# Altium PCB Daughter Board.PcbDoc (part 2 of 3)
Units mil, origin at the board's own origin, x right, y up, seen from the top; angles counter-clockwise.
Board outline 3543.31 x 2755.91 mil, 4 copper layers (Top, GND, 3V3, Bottom), stack 70.5 mil thick; 212 components, 182 nets, 825 pads, 231 vias.
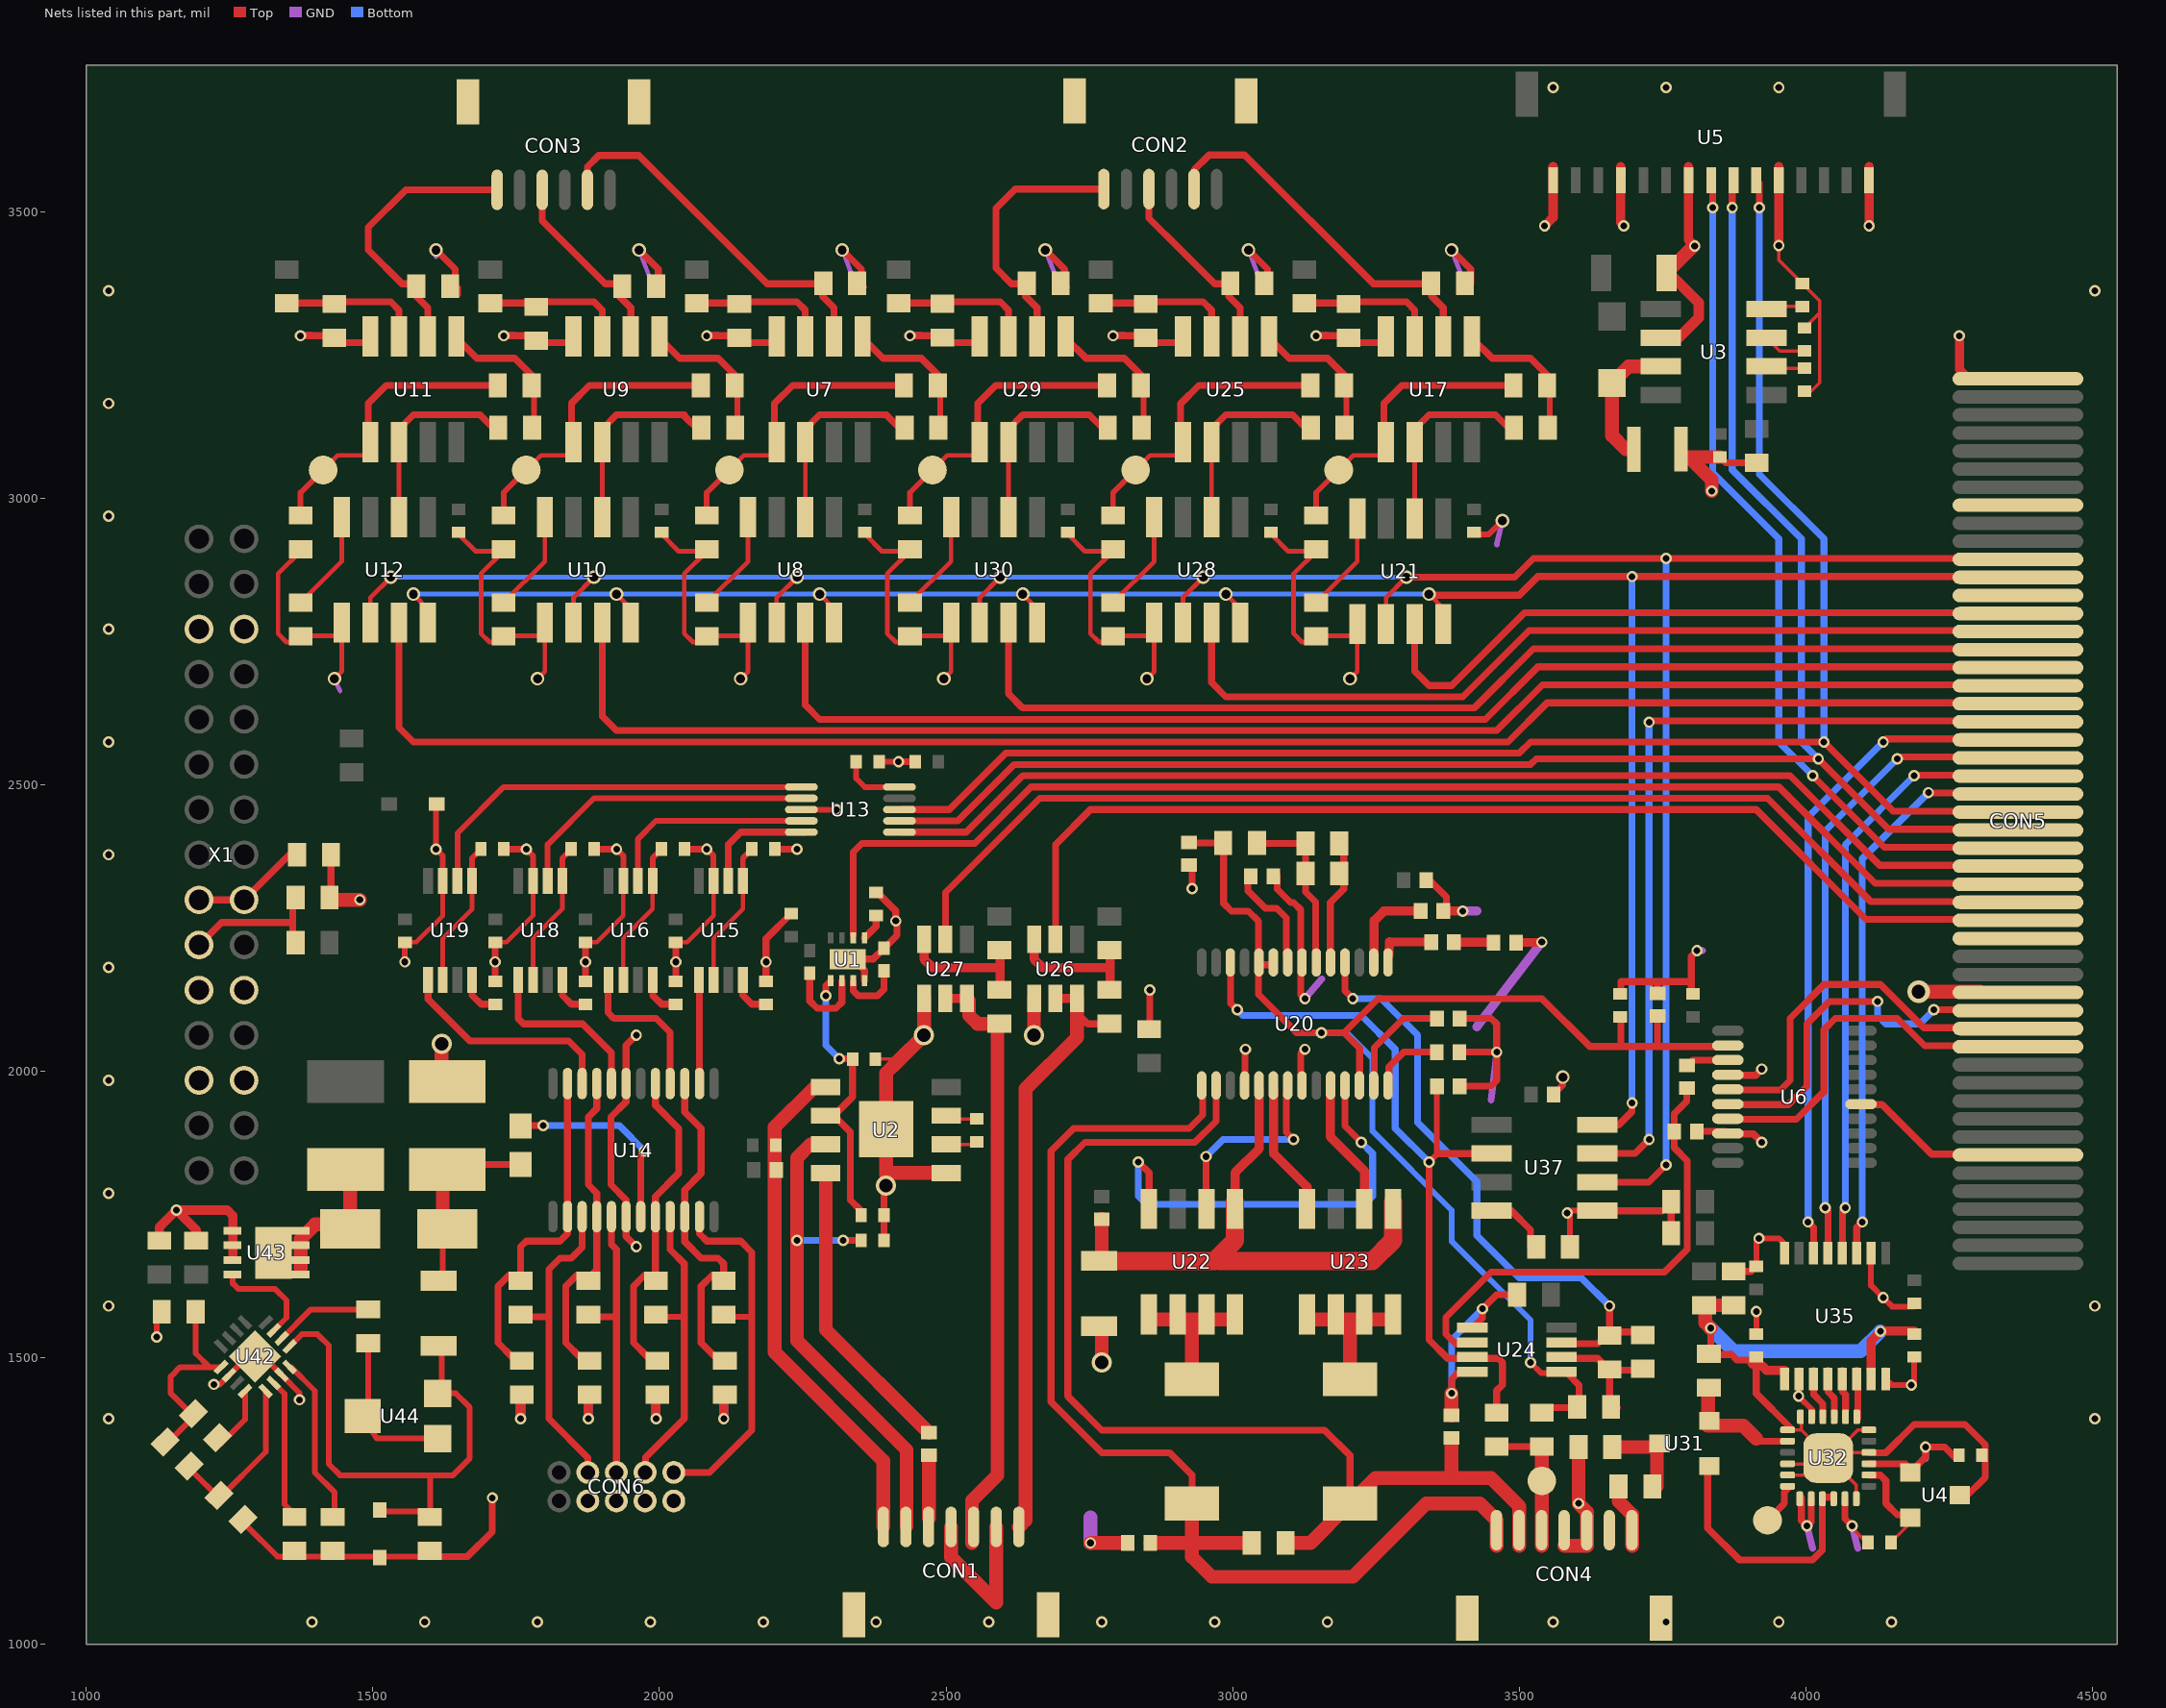
[diagram p4: the nets of this part, all layers, seen from the top]

## Via types
v1: diameter 19.81/19.81/19.81/19.81 (per signal layer), hole 11.81, Top to Bottom, tented both sides, 170 vias
v2: diameter 23.75/23.75/23.75/23.75 (per signal layer), hole 15.75, Top to Bottom, 46 vias
v3: diameter 35.43/31.62/31.62/35.43 (per signal layer), hole 23.62, Top to Bottom, 5 vias
v4: diameter 196.85/151.18/151.18/196.85 (per signal layer), hole 125.98, Top to Bottom, 4 vias
v5: diameter 35.43, hole 35.43, Top to Bottom, 2 vias
v6: diameter 55.91, hole 55.91, Top to Bottom, 2 vias
v7: diameter 39.37/31.62/31.62/39.37 (per signal layer), hole 23.62, Top to Bottom, 2 vias

## Nets (pads, with @x,y where several pads share a name; then routed paths per layer and width w, separated by ;. In a path a pad name is that pad's centre, name@x,y a point inside that pad or via, vN(x,y) a via of type N, cw(c..) or ccw(c..) an arc to the next point about the centre after c; other vN are vias at no path point) (continued)
GND: C1.2 C2.2 C3.2 C4.1 C5.2 C6.2 C7.2 C8.2 C9.2 C10.2 C11.2 C12.2 C13.2 C14.2 C15.2 C16.1 C17.2 C18.1 C19.1 C20.1 C21.1 C22.1 C23.2 C24.2 C25.1 C26.1 C27.1 C29.1 C30.1 C31.1 C32.2 C33.2 C34.2 C35.1 C36.2 C37.1 C38.1 C39.1 C42.1 C43.2 C44.2 C45.1 C46.2 C47.2 C48.2 C49.2 C50.2 C51.1 C52.1 C53.1 C54.1 C56.1 C57.2 C59.2 C60.1 C61.1 C62.1 C63.1 C64.1 C65.1 C76.2 C77.2 C78.1 C80.1 C81.2 C82.2 C83.2 C88.2 CON1.2 CON1.4 CON1.GND CON2.GND CON3.GND CON4.4 CON4.5 CON4.8 CON4.9 CON5.16 CON5.50 CON6.2 CON6.4 CON6.6 CON6.8 D4.2 D6.2 L1.2 R1.1 R3.1 R6.1 R7.1 R9.1 R12.1 R13.1 R15.1 R18.1 R19.1 R21.1 R24.1 R25.1 R27.1 R30.1 R31.1 R33.1 R36.1 R37.1 R39.2 R41.2 R48.1 R49.1 R50.1 R51.1 R54.1 R61.2 R73.2 R74.2 R83.2 R85.1 U1.8 U1.9 U2.1 U2.9 U3.6 U4.1 U5.1 U5.4 U5.7 U5.11 U5.15 U6.14 U6.18 U7.4 U8.5 U9.4 U10.5 U11.4 U12.5 U13.3 U14.7 U14.18 U15.3 U16.3 U17.4 U18.3 U19.3 U20.7 U20.18 U20.22 U21.5 U24.1 U24.4 U25.4 U26.1 U27.1 U28.5 U29.4 U30.5 U32.7 U32.8 U32.11 U32.15 U32.23 U35.2 U35.8 U35.10 U35.16 U37.5 U42.2 U42.7 U42.17 U43.1 U43.2 U43.3 X1.5 X1.6 X1.9 X1.10 X1.25 X1.26 | length 14569.4
  Top w6: C39.1@2376.93,2021.29 2410.09,2021.29 2415,2016.38 ; v3@2391.93,1797.38 v3(2395.31,1800.76) ; 2395.31,1820 2397.92,1822.61 ; v1(2412.32,2262.29) v1@2414.35,2260.26 ; v1@3021.5,2037.25 v1(3022.64,2038.39) ; U3.6@3747.06,3280 U3.6@3777.82,3280 ; C30.1@3749.44,1756.69 C30.1@3765,1772.25 ; C62.1@3757,3393 C62.1@3761.18,3393 ; v1@3804,3440 v1(3806,3440) ; U6.18@3860.27,1895.2 U6.18@3863.86,1891.61 ; C52.1@3904.63,1651 C52.1@3913.39,1659.76 ; v1(3952.76,3440.94) 3952.76,3415.54 C63.1@3993.87,3374.43 4024,3344.3 4024,3323.34 ; C61.1@3997.66,3186.9 4009.68,3186.9 4024,3201.23 4024,3323.34 ; C65.1@3997.66,3297 4024,3323.34 ; v1(4080.71,1206.69) 4080.71,1203.29 C64.1@4109,1175
  Top w8: R36.1@1374.02,2907.48 1334.65,2868.11 1334.65,2763.78 1349.41,2749.02 1374.02,2749.02 1384.84,2759.84 1445.87,2759.84 1445.87,2697.83 v2(1433.07,2685.04) ; U11.4@1495.87,3259.65 U11.4@1495.87,3279.53 ; C27.1@1556.1,2225.39 1575.79,2225.39 1622.05,2271.65 U19.3@1622.05,2330.71 ; R31.1@1643.7,3374.02 1649.61,3368.11 R31.1@1649.61,3354.33 ; C15.2@1649.61,2937.01 1679.13,2907.48 1728.35,2907.48 1688.98,2868.11 1688.98,2763.78 1703.74,2749.02 1728.35,2749.02 1739.17,2759.84 1800.2,2759.84 1800.2,2697.83 v2(1787.4,2685.04) ; C26.1@1713.58,2225.39 1733.27,2225.39 1779.53,2271.65 U18.3@1779.53,2330.71 ; C25.1@1871.06,2225.39 1890.75,2225.39 1937.01,2271.65 U16.3@1937.01,2330.71 ; R25.1@1998.03,3374.02 2003.94,3368.11 R25.1@2003.94,3354.33 ; C12.2@2003.94,2937.01 2033.46,2907.48 2082.68,2907.48 2043.31,2868.11 2043.31,2763.78 2058.07,2749.02 2082.68,2749.02 2093.5,2759.84 2154.53,2759.84 2154.53,2697.83 v2(2141.73,2685.04) ; C22.1@2028.54,2225.39 2048.23,2225.39 2094.49,2271.65 U15.3@2094.49,2330.71 ; R19.1@2352.36,3374.02 R19.1@2358.27,3368.11 ; C9.2@2358.27,2937.01 2387.8,2907.48 2437.01,2907.48 2397.64,2868.11 2397.64,2763.78 2412.4,2749.02 2437.01,2749.02 2447.83,2759.84 2508.86,2759.84 2508.86,2697.83 v2(2496.06,2685.04) ; R13.1@2706.69,3374.02 R13.1@2712.6,3368.11 ; C6.2@2712.6,2937.01 2742.13,2907.48 2791.34,2907.48 2751.97,2868.11 2751.97,2763.78 2766.73,2749.02 2791.34,2749.02 2796.26,2753.93 2802.17,2759.84 2863.19,2759.84 2863.19,2697.83 v2(2850.39,2685.04) ; C3.2@3066.93,2937.01 3096.46,2907.48 3145.67,2907.48 3106.3,2868.11 3106.3,2763.78 3121.06,2749.02 3145.67,2749.02 3150.59,2753.93 3156.5,2759.84 3217.52,2759.84 3217.52,2697.83 v2(3204.72,2685.04)
  Top w10: v1(1123.03,1536.42) 1123.03,1564.96 C4.1@1124.02,1580.71 ; v1(1223,1453.73) 1233.13,1453.73 U42.2@1249.34,1469.95 1281.36,1501.97 1309.19,1501.97 1341.21,1469.95 1372,1439.17 v1(1372,1427) ; R73.2@1279.57,1207.64 1333.66,1153.54 D4.2@1511.81,1153.54 ; D4.2@1511.81,1151.57 D4.2@1511.81,1153.54 ; v1(1556.1,2190.94) C27.1@1556.1,2225.08 C27.1@1556.1,2225.39 ; C24.2@1600.39,1153.54 D4.2@1511.81,1153.54 ; D6.2@1611.22,2466.54 1610.24,2466.54 v1(1610.24,2387.8) 1622.05,2375.98 U19.3@1622.05,2332.45 U19.3@1622.05,2330.71 ; v1(1767.72,2387.8) 1779.53,2375.98 U18.3@1779.53,2332.45 U18.3@1779.53,2330.71 ; v1(1925.2,2387.8) 1937.01,2375.98 U16.3@1937.01,2330.71 ; v1(2082.68,2387.8) 2094.49,2375.98 U15.3@2094.49,2330.71 ; U13.3@2255.39,2456.69 v1(2309.06,2456.69) ; C38.1@2382.87,2540.35 C38.1@2383.19,2540.35 v1(2417.32,2540.35) ; C23.2@3421.26,2937.01 3446.85,2937.01 v2(3470.47,2960.63) ; C57.2@3588.58,1693.9 3588.58,1748.03 v1(3583.66,1752.95) 3587.4,1756.69 U37.5@3636.02,1756.69 U37.5@3656.49,1756.69 ; C50.2@3913.39,1547.24 v1(3913.39,1580.71) ; C52.1@3913.39,1665.35 3913.39,1703.74 v1(3918.31,1708.66) 3952.76,1708.66 3963.68,1697.74 U35.8@3963.68,1683.07 ; U35.10@3988.68,1478.35 3988.68,1434.55 v1(3987.2,1433.07) 4011.81,1408.46 U32.23@4011.81,1392.72 ; U35.2@4113.68,1683.07 4113.68,1626.48 v1(4134.84,1605.32) 4150.59,1589.57 C51.1@4188.98,1589.57 ; U35.16@4138.68,1478.35 4139.76,1477.26 4139.76,1462.6 4149.61,1452.76 v1(4184.06,1452.76) 4188.98,1457.68 C49.2@4188.98,1496.06
  Top w11.92: U14.18@1941.93,1746.35 1941.93,1775.59 1915.35,1802.17 1915.35,1920.28 1941.93,1946.85 U14.7@1941.93,1976.09
  Top w12: v1(1374.02,3283.46) 1421.26,3283.46 1433.07,3271.65 1487.99,3271.65 U11.4@1495.87,3279.53 ; R39.2@1427.17,2299.21 R37.1@1427.17,2377.95 ; C24.2@1600.39,1153.54 1665.35,1153.54 1708.66,1196.85 v1(1708.66,1255.91) ; v2(1610.24,3433.07) 1643.7,3399.61 R31.1@1643.7,3374.02 ; C34.2@1713.58,2156.5 C34.2@1713.58,2156.81 v1(1713.58,2190.94) C26.1@1713.58,2225.08 C26.1@1713.58,2225.39 ; C21.1@1728.35,2387.8 C21.1@1728.66,2387.8 v1(1767.72,2387.8) ; v1(1728.35,3283.46) 1775.59,3283.46 1787.4,3271.65 1842.32,3271.65 U9.4@1850.2,3279.53 ; C33.2@1871.06,2156.5 C33.2@1871.06,2156.81 v1(1871.06,2190.94) C25.1@1871.06,2225.08 C25.1@1871.06,2225.39 ; C20.1@1885.83,2387.8 C20.1@1886.14,2387.8 v1(1925.2,2387.8) ; U14.18@1941.93,1746.35 1941.93,1711.61 v1(1959.65,1693.9) ; U14.7@1941.93,1976.09 1941.93,2045.28 v1(1959.65,2062.99) ; v2(1964.57,3433.07) 1998.03,3399.61 R25.1@1998.03,3374.02 ; C32.2@2028.54,2156.5 C32.2@2028.54,2156.81 v1(2028.54,2190.94) C22.1@2028.54,2225.08 C22.1@2028.54,2225.39 ; C19.1@2043.31,2387.8 C19.1@2043.62,2387.8 v1(2082.68,2387.8) ; v1(2082.68,3283.46) 2129.92,3283.46 2141.73,3271.65 2196.65,3271.65 U7.4@2204.53,3279.53 ; C1.2@2186.02,2156.5 C1.2@2186.02,2156.81 v1(2186.02,2190.94) 2186.02,2231.1 C53.1@2230,2275.08 ; C18.1@2200.79,2387.8 C18.1@2201.1,2387.8 v1(2240.16,2387.8) ; v2(2318.9,3433.07) 2352.36,3399.61 R19.1@2352.36,3374.02 ; U1.9@2328.36,2195.87 U1.9@2338.33,2195.87 ; U1.8@2357.89,2158.07 2357.89,2176.31 U1.9@2338.33,2195.87 ; C54.1@2381.45,2310.84 2412.32,2279.97 v1(2412.32,2262.29) ; C36.2@2391.93,1705 C42.1@2391.93,1749.12 v3@2391.93,1797.38 ; v1@2414.35,2260.26 2414.35,2237.21 R41.2@2391.71,2214.57 2373.01,2195.87 U1.9@2338.33,2195.87 ; v1(2417.32,2540.35) C37.1@2446.54,2540.35 C37.1@2446.85,2540.35 ; v1(2437.01,3283.46) 2484.25,3283.46 2496.06,3271.65 2550.98,3271.65 U29.4@2558.86,3279.53 ; v2(2673.23,3433.07) 2706.69,3399.61 R13.1@2706.69,3374.02 ; v1(2791.34,3283.46) 2838.58,3283.46 2850.39,3271.65 2905.32,3271.65 U25.4@2913.19,3279.53 ; C88.2@2855.32,2082.68 v1(2855.32,2141.73) ; v1(2929.13,2318.9) 2929.13,2347.44 ; U20.18@3021.5,1971.43 v1@3021.5,2037.25 ; v2(3027.56,3433.07) 3061.02,3399.61 R7.1@3061.02,3374.02 ; C45.1@3077.76,2343.5 3077.76,2317.91 3101.38,2294.29 3106.3,2294.29 3119.09,2281.5 3119.09,2133.86 v1(3125.98,2126.97) ; U20.22@3119.09,1962.6 3119.09,2031.5 v1(3125.98,2038.39) ; v1(3145.67,3283.46) 3192.91,3283.46 3204.72,3271.65 3259.65,3271.65 U17.4@3267.52,3279.53 ; C46.2@3343.5,2333.66 3373.03,2304.13 R83.2@3373.03,2279.53 ; v1(3381.89,1437.99) 3381.89,1462.6 3392.76,1473.46 U24.4@3416.81,1473.46 ; v2(3381.89,3433.07) 3415.35,3399.61 R1.1@3415.35,3374.02 ; C83.2@3407.48,1974.41 3450.79,1974.41 3460.63,1984.25 v1(3460.63,2033.46) ; R85.1@3407.48,2033.46 v1(3460.63,2033.46) ; C82.2@3407.48,2092.52 3450.79,2092.52 3460.63,2082.68 v1(3460.63,2033.46) ; U24.1@3416.81,1550.24 3436.02,1569.45 v1(3436.02,1585.63) 3460.63,1610.24 C81.2@3496.06,1610.24 C81.2@3503.94,1610.24 ; C56.1@3560.04,1959.65 3576.02,1975.63 v2(3576.02,1990) ; U37.5@3656.49,1756.69 C30.1@3749.44,1756.69 ; C44.2@3676.18,2135 3677.17,2135.99 3677.17,2156.5 3741.14,2156.5 ; C47.2@3741.14,2147.64 3741.14,2156.5 ; C29.1@3765,1717.51 C30.1@3765,1772.25 ; C43.2@3803,2135 3800.2,2137.8 3800.2,2156.5 ; R61.2@3810,1895.2 U6.18@3860.27,1895.2 ; v1(3810.04,2210.63) 3800.2,2200.79 3800.2,2156.5 ; C60.1@3850,3072 3860,3062 C59.2@3914,3062 ; U6.18@3867.41,1890.75 3908.46,1890.75 v1(3923.23,1875.98) ; U6.14@3867.41,1993.11 3912.4,1993.11 v1(3923.23,2003.94) ; C31.1@3874,1651 C52.1@3904.63,1651 ; U32.7@3992.13,1255.91 3992.13,1216.54 v1(4001.97,1206.69) 4009.13,1213.86 U32.8@4009.11,1254.26 ; U32.11@4068.17,1254.26 4068.15,1219.27 v1(4080.71,1206.69) ; U32.15@4109.25,1314.96 4173.23,1314.96 4185.04,1303.15 4208.66,1326.77 v1(4208.66,1344.49) 4242.13,1344.49 C48.2@4261.79,1324.82 ; 3741.14,2156.5 3800.2,2156.5
  Top w16: C7.2@1127.95,1712.6 1127.95,1728.35 v1(1157.48,1757.87) ; C13.2@1191.93,1712.6 1191.93,1723.43 v1(1157.48,1757.87) ; 1255.91,1680.12 1255.91,1748.03 1246.06,1757.87 v1(1157.48,1757.87) ; v1(1757.87,1393.7) R51.1@1757.87,1434.06 ; v1(1875.98,1393.7) R50.1@1875.98,1434.06 ; v1(1994.09,1393.7) R49.1@1994.09,1434.06 ; v1(2112.2,1393.7) R48.1@2112.2,1434.06 ; R83.2@3373.03,2279.53 v1(3401.57,2279.53) ; C80.1@3496.06,2225.39 3499.02,2224.41 v1(3539.37,2225.39) ; v1(3544.29,3475.39) 3559.06,3490.16 3559.06,3578.74 ; 3677.17,3578.74 3677.17,3480.32 v1(3682.09,3475.39) ; 3795.28,3578.74 3795.28,3450.79 3806,3440.07 v1(3806,3440) ; v1(3952.76,3440.94) 3952.76,3578.74 ; v1(4110.24,3475.39) 4110.24,3578.74 ; v1(4267.72,3283.46) 4267.72,3224.41 4282.48,3209.65 CON5.50@4303.94,3209.65
  Top w18: C62.1@3761.18,3393 3813,3341.18 3813,3315.18 U3.6@3777.82,3280
  Top w24: R39.2@1427.17,2299.21 v1(1477.36,2299.21) ; v3(1620.08,2048.23) 1620.08,1997.05 C10.2@1629.92,1982.28 ; 2395.31,1820 U2.9@2395.31,1899.18 2395.31,1996.69 2415,2016.38 v3(2461.61,2062.99) U27.1@2461.61,2126.97 ; 2397.92,1822.61 U2.1@2500.31,1822.61 ; CON1.4@2508.86,1205 2508.86,1152.02 2587.6,1073.28 CON1.2@2587.6,1205 ; v3(2653.54,2062.99) U26.1@2653.54,2126.97 ; v1(2751.97,1177.17) C77.2@2805.12,1177.17 ; v3(2771.65,1492.13) R54.1@2771.65,1559.17 ; C78.1@3381.89,1399.61 v1(3381.89,1437.99) ; CON4.4@3578.74,1172.24 3618.11,1172.24 3618.11,1231.3 v1(3603.35,1246.06) C35.1@3603.35,1344.49 ; C62.1@3757,3393 v1@3804,3440 ; v1(3835.73,3012.65) 3835.73,3031.78 3795.51,3072 C60.1@3850,3072 ; v7(4196.65,2138.98) CON5.16@4304.13,2138.98
  GND w8: v2(1433.07,2685.04) 1442.91,2663.39 ; v2@1610.24,3421.26 v2(1610.24,3433.07) ; v2(1964.57,3433.07) 1984.25,3381.89 ; v2(2318.9,3433.07) 2338.58,3381.89 ; v2(2673.23,3433.07) 2692.91,3381.89 ; v2(3027.56,3433.07) 3047.24,3381.89 ; v2(3381.89,3433.07) 3401.57,3381.89
  GND w10: v1(1767.72,2387.8) v1@1767.72,2392.72 ; v1(1925.2,2387.8) v1@1925.2,2392.72 ; v1(2082.68,2387.8) v1@2082.68,2392.72 ; 3460.63,2919.29 v2(3470.47,2960.63)
  GND w12: v1(1374.02,3283.46) 1393.7,3283.46 ; v1(1728.35,3283.46) 1748.03,3283.46 ; v1(2082.68,3283.46) 2102.36,3283.46 ; v1(2437.01,3283.46) 2456.69,3283.46 ; v1(2791.34,3283.46) 2811.02,3283.46 ; v1(3125.98,2126.97) 3155.51,2161.42 ; v1(3145.67,3283.46) 3165.35,3283.46 ; 3450.79,1949.8 v1(3460.63,2033.46) ; v1(3810.04,2210.63) v1@3819.88,2210.63 ; v1(4001.97,1206.69) 4011.81,1167.32 ; v1(4080.71,1206.69) 4090.55,1167.32 ; 4208.66,1324.8 v1(4208.66,1344.49)
  GND w16: v1(1757.87,1393.7) 1757.87,1423.23 ; v1(1875.98,1393.7) 1875.98,1423.23 ; v1(1994.09,1393.7) 1994.09,1423.23 ; v1(2112.2,1393.7) 2112.2,1423.23 ; v1(3401.57,2279.53) 3426.18,2279.53 ; 3426.18,2077.76 v1(3539.37,2225.39)
  GND w24: v3(2461.61,2062.99) v3@2461.61,2072.83 ; v3(2653.54,2062.99) v3@2653.54,2072.83 ; v1(2751.97,1177.17) 2751.97,1221.46
  Bottom w12: v1(3381.89,1437.99) 3381.89,1531.5 v1(3436.02,1585.63) v1@3440.94,1590.55
  other v1: 1393.7,1039.37 1590.55,1039.37 1787.4,1039.37 1984.25,1039.37 2181.1,1039.37 2377.95,1039.37 2574.8,1039.37 2771.65,1039.37 2968.5,1039.37 3165.35,1039.37 3559.06,1039.37 3755.91,1039.37 3952.76,1039.37 4149.61,1039.37 1039.37,1393.7 4503.94,1393.7 1039.37,1590.55 4503.94,1590.55 1039.37,1787.4 1039.37,1984.25 1039.37,2181.1 1039.37,2377.95 1039.37,2574.8 1039.37,2771.65 1039.37,2968.5 1039.37,3165.35 1039.37,3362.2 4503.94,3362.2 3559.06,3716.54 3755.91,3716.54 3952.76,3716.54
GPIO_CALIB_LD: CON5.22 U1.2 | length 2227.9
  Top w12: U1.2@2338.2,2237.2 2338.2,2382.49 2353.35,2397.64 2550.2,2397.64 2648.62,2496.06 3952.76,2496.06 4120.87,2327.95 CON5.22@4304.13,2327.95
GPIO_HEATER_1: CON5.20 U26.5 | length 2010.2
  Top w12: U26.5@2690.94,2237.2 2690.94,2395.67 2751.97,2456.69 3913.39,2456.69 4105.12,2264.96 CON5.20@4304.13,2264.96
  Top w16: CON5.20@4304.13,2264.96 CON5.20@4437.99,2264.96
GPIO_HEATER_2: CON5.21 U27.5 | length 2156.4
  Top w12: U27.5@2499.02,2237.2 2499.02,2312.01 2663.39,2476.38 3933.07,2476.38 4112.99,2296.46 CON5.21@4304.13,2296.46
  Top w16: CON5.21@4304.13,2296.46 CON5.21@4437.99,2296.46
"LD ANODE": C36.1 CON1.6 U2.7 | length 895.6
  Top w6: 2263.65,1872.61 U2.7@2290.31,1872.61 ; C36.1@2351.87,1704.92 C36.1@2351.95,1705
  Top w12: v1(2320.57,1704.92) C36.1@2351.87,1704.92 ; CON1.6@2430.12,1205 CON1.6@2431.07,1205.95
  Top w24: 2263.65,1872.61 2240,1848.96 v1(2240,1705) 2240,1530.36 2431.07,1339.29 CON1.6@2431.07,1205.95
  Bottom w6: v1@2320.49,1705 v1(2320.57,1704.92)
  Bottom w12: v1(2240,1705) v1@2320.49,1705
"LD CATHODE": R62.2 U2.8 | length 527.7
  Top w24: U2.8@2290.31,1822.61 2290.31,1549.04 R62.2@2470,1369.35
LD_BIAS: CON4.7 L5.2 | length 113.1
  Top w24: L5.2@3673.23,1275.59 3673.23,1250 3696.85,1226.38 CON4.7@3696.85,1172.24
NetC1_1: C1.1 U15.8 | length 73.4
  Top w12: U15.8@2145.67,2159.45 2145.67,2132.87 2161.42,2117.13 C1.1@2186.02,2117.13
NetC2_1: C2.1 U21.4 | length 176.4
  Top w8: C2.1@3145.67,2817.91 3217.52,2889.76 U21.4@3217.52,2964.57
NetC5_1: C5.1 U28.4 | length 176.4
  Top w8: C5.1@2791.34,2817.91 2863.19,2889.76 U28.4@2863.19,2964.57
NetC8_1: C8.1 U30.4 | length 176.4
  Top w8: C8.1@2437.01,2817.91 2508.86,2889.76 U30.4@2508.86,2964.57
NetC10_1: C10.1 D5.2 L9.2 R75.2 | length 339.9
  Top w10: R75.2@1620.08,1636.69 1622.05,1658.35 D5.2@1622.05,1733.27
  Top w12: C10.1@1629.92,1828.74 1624.02,1837.6 L9.2@1757.87,1837.6
  Top w24: D5.2@1622.05,1733.27 1622.05,1820.87 C10.1@1629.92,1828.74
NetC11_1: C11.1 U8.4 | length 176.4
  Top w8: C11.1@2082.68,2817.91 2154.53,2889.76 U8.4@2154.53,2964.57
NetC14_1: C14.1 U10.4 | length 176.4
  Top w8: C14.1@1728.35,2817.91 1800.2,2889.76 U10.4@1800.2,2964.57
NetC16_2: C16.2 U42.8 | length 297.2
  Top w10: U42.8@1355.13,1483.87 1357.69,1483.87 1399,1442.56 1399,1299.82 1433.07,1265.75 C16.2@1433.07,1220.47
NetC17_1: C17.1 U12.4 | length 176.4
  Top w8: C17.1@1374.02,2817.91 1445.87,2889.76 U12.4@1445.87,2964.57
NetC18_2: C18.2 U15.1 U15.6 | length 256.1
  Top w8: U15.6@2094.49,2159.45 2094.49,2232.28 2145.67,2283.46 U15.1@2145.67,2330.71
  Top w10: U15.1@2145.67,2330.71 2145.67,2372.05 C18.2@2161.42,2387.8
NetC19_2: C19.2 U16.1 U16.6 | length 256.1
  Top w8: U16.6@1937.01,2159.45 1937.01,2232.28 1988.19,2283.46 U16.1@1988.19,2330.71
  Top w10: U16.1@1988.19,2330.71 1988.19,2372.05 C19.2@2003.94,2387.8
NetC20_2: C20.2 U18.1 U18.6 | length 256.1
  Top w8: U18.6@1779.53,2159.45 1779.53,2232.28 1830.71,2283.46 U18.1@1830.71,2330.71
  Top w10: U18.1@1830.71,2330.71 1830.71,2372.05 C20.2@1846.46,2387.8
NetC21_2: C21.2 U19.1 U19.6 | length 256.1
  Top w8: U19.6@1622.05,2159.45 1622.05,2232.28 1673.23,2283.46 U19.1@1673.23,2330.71
  Top w10: U19.1@1673.23,2330.71 1673.23,2372.05 C21.2@1688.98,2387.8
NetC24_1: C24.1 D4.1 R75.1 U42.9 U44.3 | length 961.1
  Top w10: U42.9@1355.13,1520.06 1376.4,1541.34 1403.54,1541.34 1423.23,1521.65 1423.23,1314.96 1442.91,1295.28 1590.55,1295.28 1600.39,1295.28 ; D4.1@1521.65,1232.28 1588.58,1232.28 1600.39,1220.47 1600.39,1295.28 ; R75.1@1620.08,1524.72 1620.08,1444.88 U44.3@1613.19,1437.99 1644.68,1437.99 1669.29,1413.39 1669.29,1324.8 1639.76,1295.28 1600.39,1295.28
NetC31_2: C31.2 C48.1 C49.1 C50.1 L10.2 R60.2 U4.3 U32.1 U32.4 U32.5 U32.12 U32.16 U32.18 U32.24 U32.25 U35.9 U35.15 | length 1754.1
  Top w6: U32.1@3972.44,1374.02 3992.13,1374.02 ; U32.5@3973.43,1295.28 U32.25@4011.81,1295.28 ; U32.4@3973.43,1314.96 U32.25@4031.5,1314.96 ; U32.24@3992.13,1393.7 3992.13,1374.02 ; U32.25@4041.34,1324.8 3992.13,1374.01 ; U32.25@4051.19,1334.65 U32.16@4109.25,1334.65 ; U32.25@4059.07,1307.07 4087.85,1278.3 U32.12@4087.85,1254.26 ; U32.25@4070.87,1354.33 4090.55,1374.02 U32.18@4110.24,1374.02
  Top w10: R60.2@3829.72,1505.91 R60.2@3830.71,1506.89 3829.72,1507.87 R60.2@3833.83,1511.98 ; 3868.11,1505.91 3869.09,1506.89 ; U32.1@3972.44,1374.02 U32.1@3972.44,1378.94 ; U32.25@4011.81,1295.28 U32.25@4031.5,1314.96 ; U32.25@4059.07,1307.07 U32.25@4041.34,1324.8 ; U32.25@4070.87,1354.33 U32.25@4051.19,1334.65 ; U32.25@4041.34,1324.8 U32.25@4051.19,1334.65 ; U32.25@4041.34,1324.8 U32.25@4051.18,1334.65
  Top w12: R60.2@3829.72,1505.91 3868.11,1505.91 ; R60.2@3833.83,1511.98 v1(3833.83,1552) ; 3869.09,1506.89 3879.92,1496.06 3913.39,1496.06 3913.39,1437.99 U32.1@3972.44,1378.94 ; U32.25@4031.5,1314.96 U32.25@4041.34,1324.8 ; U32.16@4109.25,1334.65 4139.76,1334.65 4188.98,1383.86 4277.56,1383.86 4312.99,1348.43 4312.99,1291.34 4279.52,1257.88 U4.3@4271.65,1265.75
  Top w16: C50.1@3913.39,1496.06 3931.1,1478.35 U35.9@3963.68,1478.35 ; U35.15@4113.68,1478.35 4113.68,1530.02 v1(4129.92,1546.26) 4130.91,1547.24 C49.1@4188.98,1547.24
  Top w24: v1(3833.83,1552) 3824.39,1561.44 3824.39,1591.94 C31.2@3874,1591.94 ; C50.1@3909.45,1492.13 C50.1@3913.39,1496.06
  Bottom w24: v1(3833.83,1552) 3874.02,1511.81 4095.47,1511.81 v1(4129.92,1546.26)
NetC32_1: C32.1 U16.8 | length 73.4
  Top w12: U16.8@1988.19,2159.45 1988.19,2132.87 2003.94,2117.13 C32.1@2028.54,2117.13
NetC33_1: C33.1 U18.8 | length 73.4
  Top w12: U18.8@1830.71,2159.45 1830.71,2132.87 1846.46,2117.13 C33.1@1871.06,2117.13
NetC34_1: C34.1 U19.8 | length 73.4
  Top w12: U19.8@1673.23,2159.45 1673.23,2132.87 1688.98,2117.13 C34.1@1713.58,2117.13
NetC35_2: C35.2 L5.1 U31.3 | length 139.6
  Top w24: C35.2@3672.24,1344.49 3742.13,1344.49 3740.16,1342.52 L5.1@3740.16,1275.59
NetC38_2: C38.2 U13.10 | length 113.9
  Top w10: C38.2@2343.5,2540.35 2343.5,2510.83 2358.27,2496.06 U13.10@2421.78,2496.06
NetC39_2: C39.2 C42.2 U1.5 U2.6 | length 492.4
  Top w6: U2.6@2290.31,1922.61 2304.07,1922.61 U2.6@2304.7,1922.61 ; C39.2@2336,2022.23 C39.2@2336.93,2021.29 ; C42.2@2351.93,1749.12 C42.2@2351.93,1756.66
  Top w12: v1(2290.31,2131.97) 2290.31,2149.55 U1.5@2298.83,2158.07 ; U2.6@2304.07,1922.61 2336.93,1955.48 C39.2@2336.93,2021.29 ; U2.6@2304.7,1922.61 2333.24,1894.06 2333.24,1775.35 C42.2@2351.93,1756.66 ; v1(2313.74,2022.23) C39.2@2336,2022.23
  Bottom w12: v1(2290.31,2131.97) 2290.31,2045.65 v1(2313.74,2022.23)
NetC40_1: C40.1 CON1.1 U26.2 U26.3 | length 1067.2
  Top w12: 2728.35,2101.38 2747.05,2082.68 C40.1@2786.42,2082.68
  Top w16: U26.2@2690.94,2126.97 U26.3@2728.34,2126.97
  Top w24: CON1.1@2626.97,1205 2638.78,1216.81 2638.78,1969.49 2728.34,2059.05 U26.3@2728.34,2126.97
NetC40_2: C40.2 R52.1 U26.6 | length 240.4
  Top w16: U26.6@2653.54,2237.2 2653.54,2195.87 2668.31,2181.1 2786.42,2181.1 ; C40.2@2786.42,2151.57 2786.42,2181.1 ; R52.1@2786.42,2211.61 2786.42,2181.1
NetC41_1: C41.1 CON1.3 U27.2 U27.3 | length 1047.7
  Top w16: U27.2@2499.01,2126.97 U27.3@2536.41,2126.97
  Top w24: U27.3@2536.41,2126.97 2540.35,2123.03 2540.35,2097.44 2555.12,2082.68 C41.1@2594.49,2082.68 ; CON1.3@2545.28,1177.17 2545.28,1250.98 2589.57,1295.28 C41.1@2589.57,2077.76
NetC41_2: C41.2 R53.1 U27.6 | length 240.4
  Top w16: U27.6@2461.61,2237.2 2461.61,2195.87 2476.38,2181.1 2594.49,2181.1 ; C41.2@2594.49,2151.57 2594.49,2181.1 ; R53.1@2594.49,2211.61 2594.49,2181.1
NetC45_2: C45.2 U20.8 | length 180